# Altium PCB PCB1 — копия.PcbDoc
Units mm, origin at the board's own origin, x right, y up, seen from the top; angles counter-clockwise.
Board outline 94 x 80 mm, 2 copper layers (Top Layer, Bottom Layer); 216 components, 154 nets, 1007 pads, 0 vias.
Unrouted connection lines stored in the file: 434.
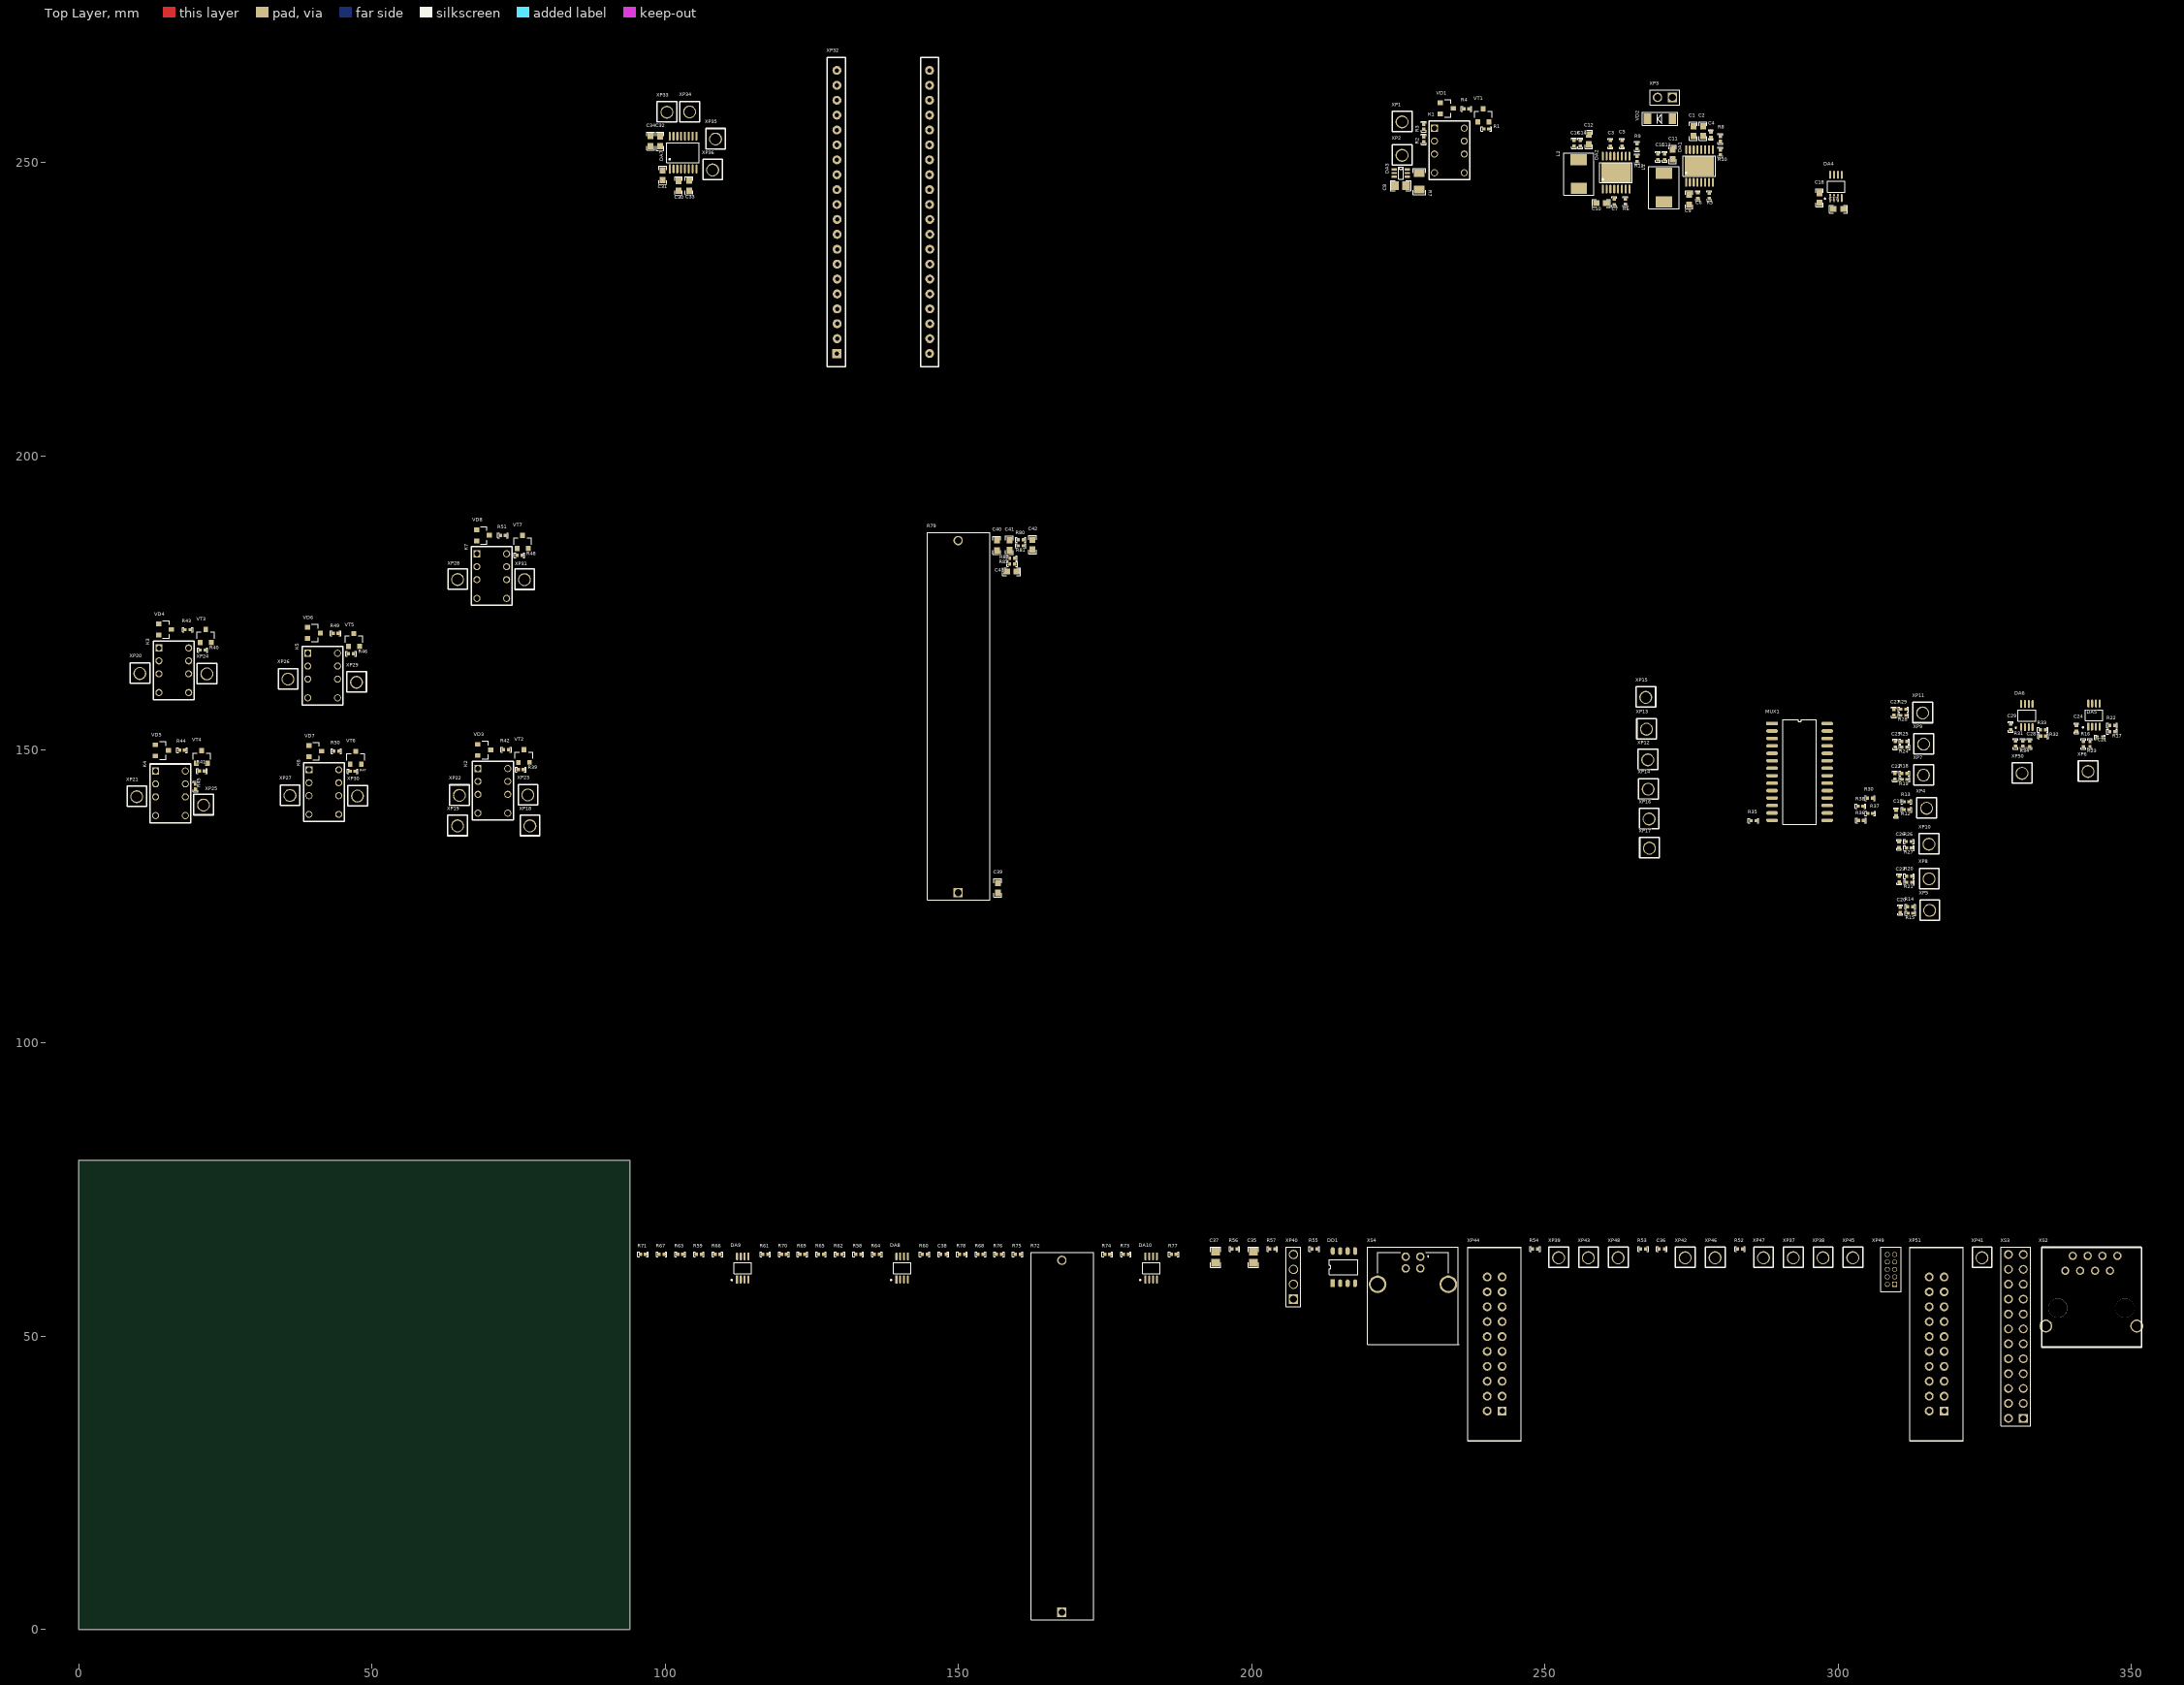
[diagram p0: Top Layer view]
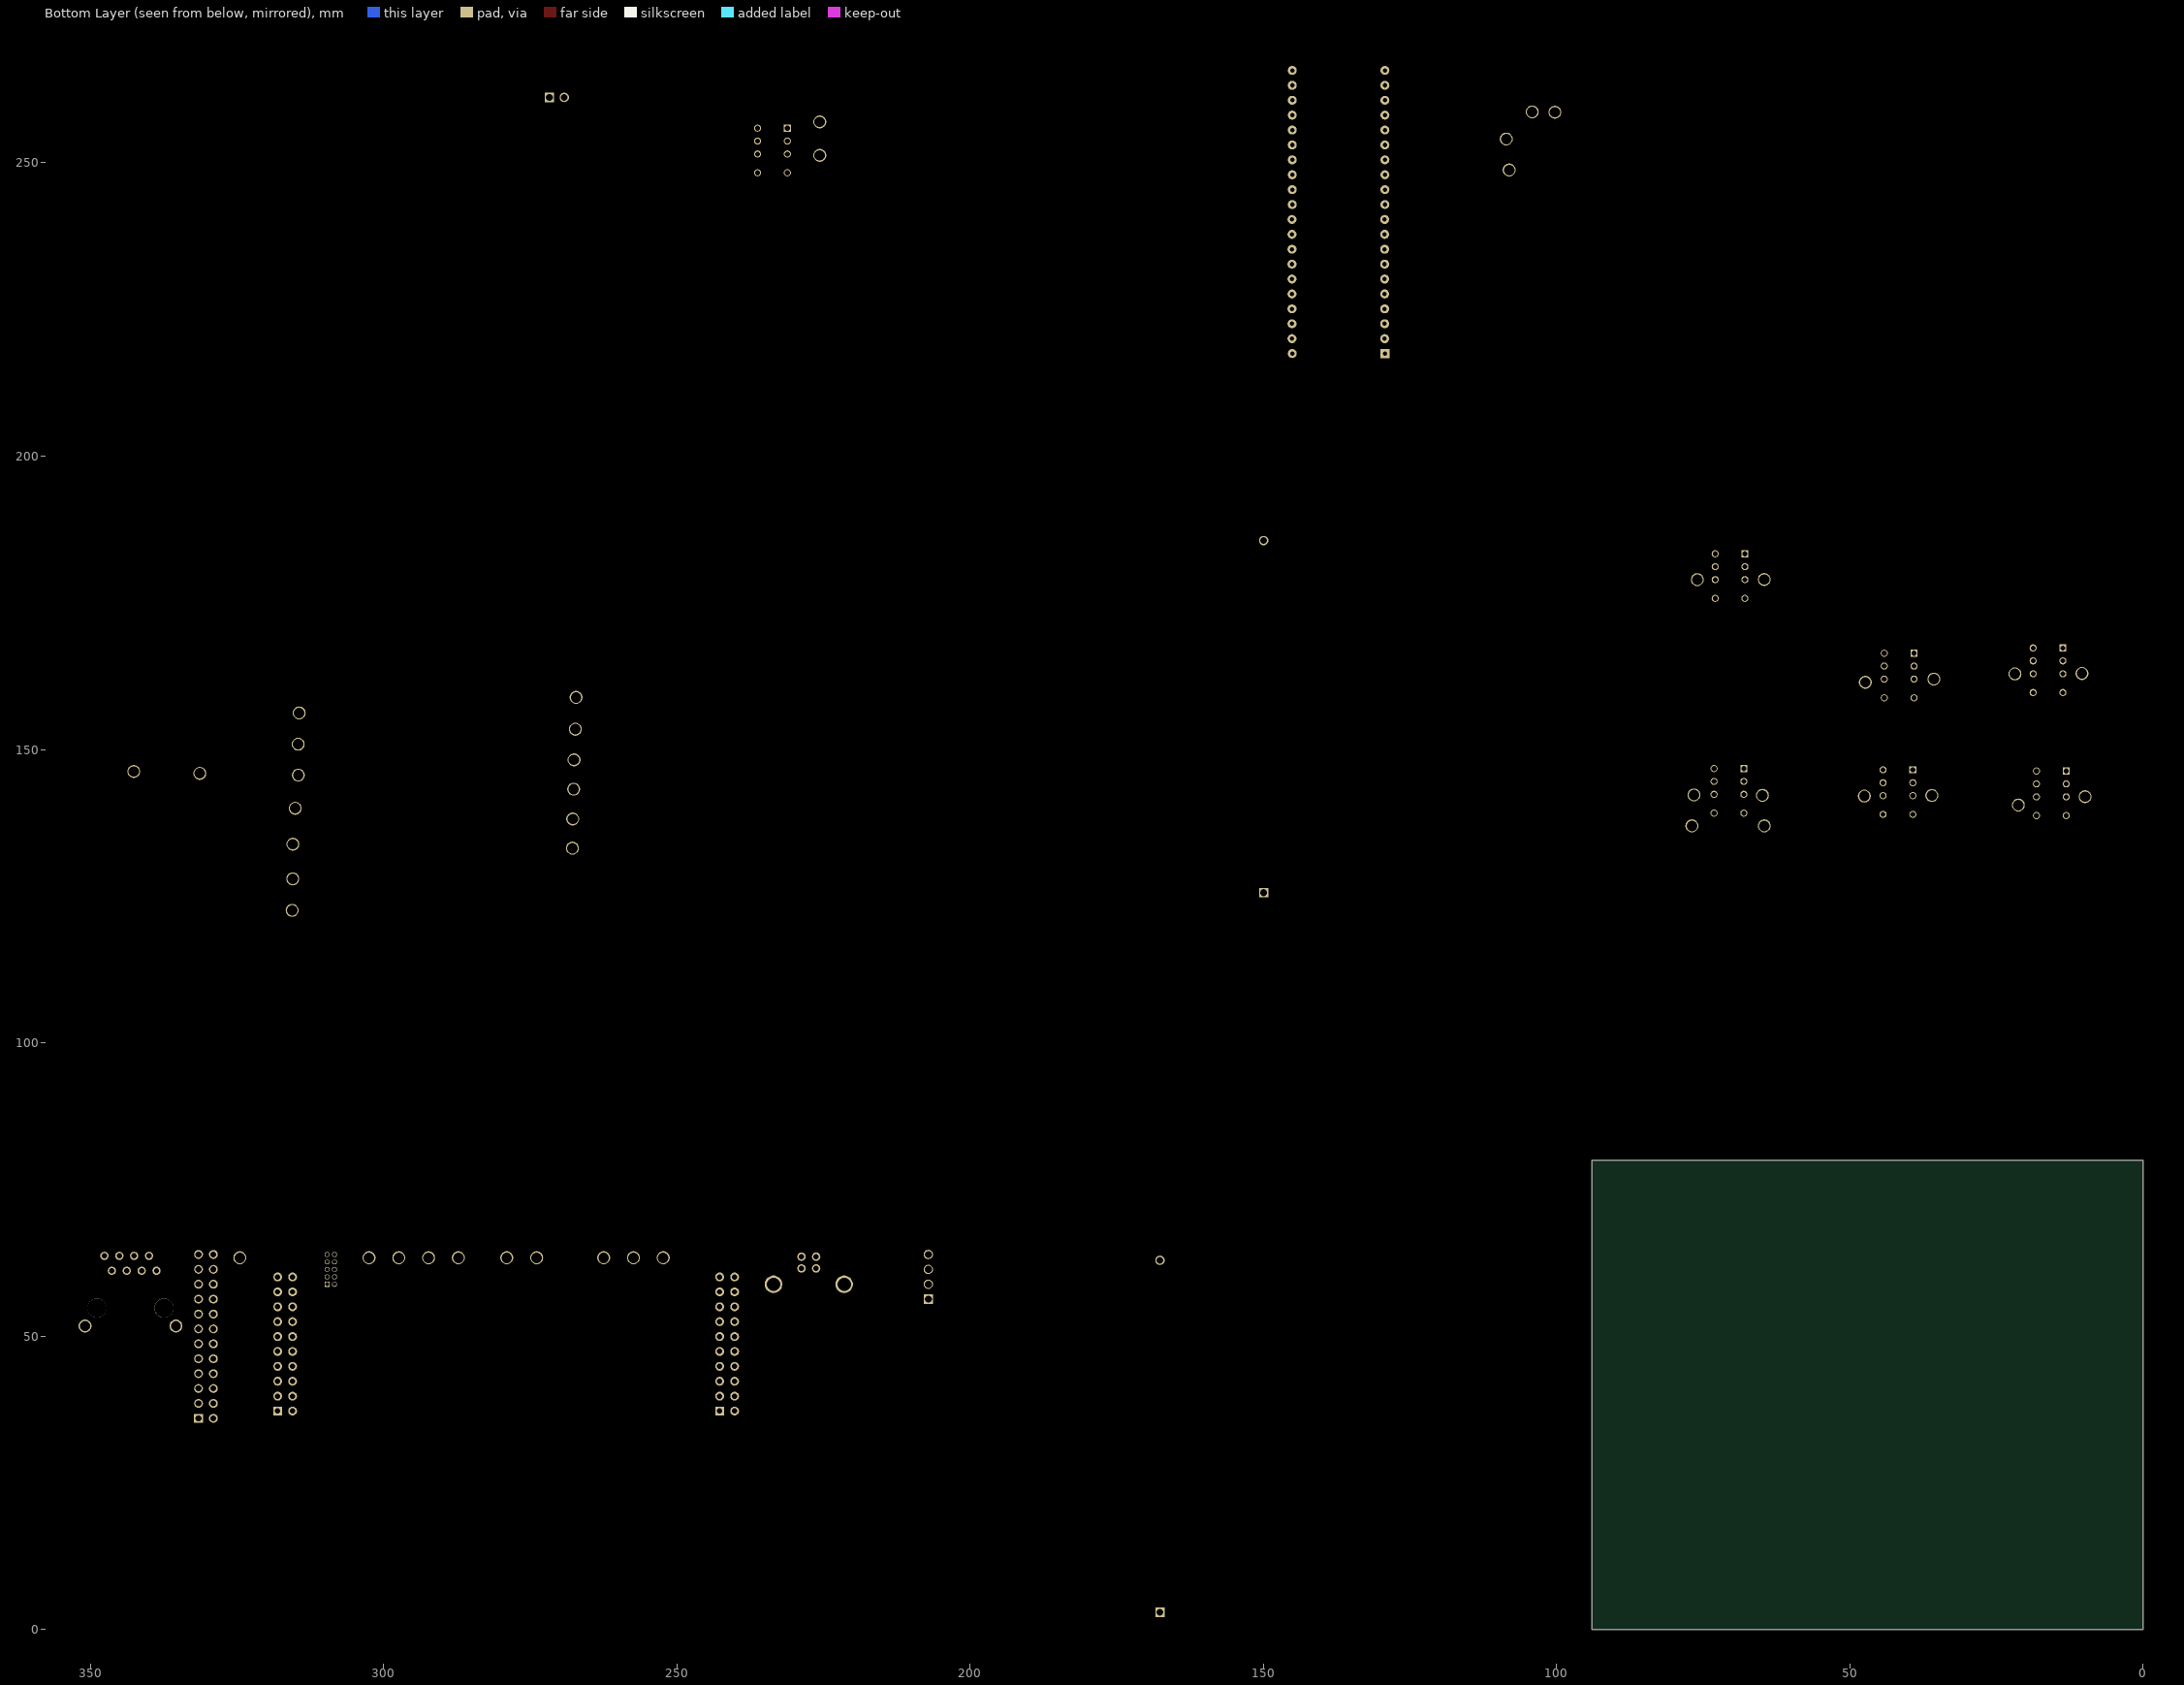
[diagram p1: Bottom Layer view, seen from below]

## Layer stack, top to bottom
Top Solder: solder mask 0.0102, Solder Resist, Dk 3.5
Top Layer: signal copper 0.0356
Dielectric 1: dielectric 0.32, FR-4, Dk 4.8
Bottom Layer: signal copper 0.0356
Bottom Solder: solder mask 0.0102, Solder Resist, Dk 3.5

## Board outline
0,0 0,80 94,80 94,0

## Design rules (kind name [scope] priority, off if disabled: settings)
Clearance [All] p1: gap=0.254 ignorepadtopadclearanceinfootprint=TRUE except(0: Arc-Hole Track-Hole SMDPad-Hole THPad-Hole Via-Hole Fill-Hole Poly-Hole Region-Hole Text-Hole)
Height [All] p1: minheight=0 maxheight=35 prefheight=12.7
PolygonConnect [All] p1: connectstyle=Relief reliefconductorwidth=0.254 reliefentries=4 polygonreliefangle="90 Angle" airgapwidth=0.254
RoomDefinition STM [InComponentClass('STM')] p1: confinementstyle=ConfineIn formatcopy=TRUE lockcomponents=FALSE outline 86.205,214.96 146.908,214.96 146.908,269.338 86.205,269.338
RoomDefinition Rele [InComponentClass('Rele')] p2: confinementstyle=ConfineIn formatcopy=TRUE lockcomponents=FALSE outline 0,197.225 220.786,197.225 220.786,208.8 0,208.8
RoomDefinition Power [InComponentClass('Power')] p3: confinementstyle=ConfineIn formatcopy=TRUE lockcomponents=FALSE outline 161.697,220.25 322.03,220.25 322.03,231.85 161.697,231.85
RoomDefinition Peltie [InComponentClass('Peltie')] p4: confinementstyle=ConfineIn formatcopy=TRUE lockcomponents=FALSE outline 95.13,123.606 132.806,123.606 132.806,187.759 95.13,187.759
RoomDefinition ControlPoint [InComponentClass('ControlPoint')] p5: confinementstyle=ConfineIn formatcopy=TRUE lockcomponents=FALSE outline 98.067,98.424 314.653,98.424 314.653,118.125 98.067,118.125
RoomDefinition Connectors [InComponentClass('Connectors')] p6: confinementstyle=ConfineIn formatcopy=TRUE lockcomponents=FALSE outline 192.689,31.879 352.222,31.879 352.222,66.456 192.689,66.456
RoomDefinition Check_Laser [InComponentClass('Check_Laser')] p7: confinementstyle=ConfineIn formatcopy=TRUE lockcomponents=FALSE outline 95.13,1.425 187.809,1.425 187.809,65.553 95.13,65.553
RoutingVias [All] p1: holewidth=0.711 width=1.27 viastyle="Through Hole" minholewidth=0.711 minwidth=1.27 maxholewidth=0.711 maxwidth=1.27
SolderMaskExpansion [All] p1: expansion=0.102 istentingtop=FALSE
Width [All] p1: maxlimit=0.254 minlimit=0.254 preferedwidth=0.254
29 further rules are at their usual default settings.

## Classes and differential pairs
component class STM: C30 C31 C32 C33 C34 DA7 XP32 XP33 XP34 XP35 XP36
component class Rele: R39 R40 R41 R42 R43 R44 R45 R46 R47 R48 R49 R50 R51 VD3 VD4 VD5 VD6 VD7 VD8 VT2 VT3 VT4 VT5 VT6 VT7 XP18 XP19 XP20 XP21 XP22 XP23 XP24 XP25 XP26 XP27 XP28 XP29 XP30 XP31 К2 К3 К4 К5 К6 К7
component class Power: C1 C2 C3 C4 C5 C6 C7 C8 C9 C10 C11 C12 C13 C14 C15 C16 C17 C18 DA1 DA2 DA3 DA4 L1 L2 R1 R2 R3 R4 R5 R6 R7 R8 R9 R10 R11 VD1 VD2 VT1 XP1 XP2 XP3 К1
component class Peltie: C39 C40 C41 C42 C43 R79 R80 R81 R82 R83
component class ControlPoint: C19 C20 C21 C22 C23 C24 C25 C26 C27 C28 C29 DA5 DA6 MUX1 R12 R13 R14 R15 R16 R17 R18 R19 R20 R21 R22 R23 R24 R25 R26 R27 R28 R29 R30 R31 R32 R33 R34 R35 R36 R37 R38 XP4 XP5 XP6 XP7 XP8 XP9 XP10 XP11 XP12 XP13 XP14 XP15 XP16 XP17 XP50
component class Connectors: C35 C36 C37 DD1 R52 R53 R54 R55 R56 R57 XP37 XP38 XP39 XP40 XP41 XP42 XP43 XP44 XP45 XP46 XP47 XP48 XP49 XP51 XS2 XS3 XS4
component class Check_Laser: C38 DA8 DA9 DA10 R58 R59 R60 R61 R62 R63 R64 R65 R66 R67 R68 R69 R70 R71 R72 R73 R74 R75 R76 R77 R78

## Components (designator, comment, footprint, x,y, rotation, side; value= is the part's Value field where it differs from the comment)
C1 "22uF" 0603C 275.3,255.4 r270 top
C2 "22uF" 0603C 276.95,255.4 r270 top
C3 "100nF" 0402C 261.15,253.3 r270 top
C4 "10nF" 0402C 278.3,254.775 r270 top
C5 "10nF" 0402C 263.1,253.3 r270 top
C6 "10uF" 0402C 276.05,244.375 r90 top
C7 "10uF" 0402C 261.825,243.35 r90 top
C8 "0.1uF" 0805C 225.35,246.1 r180 top
C9 "1uF" 0603C 274.575,243.7 r270 top
C10 "1uF" 0603C 259.6,243.1 r180 top
C11 "100uF" 0603C 271.773,251.45 r270 top
C12 "100uF" 0603C 257.475,253.975 r270 top
C13 "100nF" 0402C 270.375,251.05 r270 top
C14 "100nF" 0402C 256.025,253.325 r270 top
C15 "100nF" 0402C 269.25,251.025 r270 top
C16 "100nF" 0402C 254.95,253.325 r270 top
C17 "1uF" 0603C 300.025,242.1 r180 top
C18 "1uF" 0603C 296.8,244.025 r270 top
C19 "100nF" 0402C 309.845,139.175 r90 top
C20 "100nF" 0402C 310.575,122.65 r270 top
C21 "10nF" 0402C 344.595,152.075 r180 top
C22 "100nF" 0402C 309.675,145.4 r90 top
C23 "100nF" 0402C 310.403,127.875 r270 top
C24 "10nF" 0402C 340.595,153.625 r90 top
C25 "100nF" 0402C 309.7,150.85 r90 top
C26 "100nF" 0402C 310.353,133.75 r90 top
C27 "100nF" 0402C 309.475,156.325 r90 top
C28 "10nF" 0402C 332.62,150.975 r90 top
C29 "10nF" 0402C 329.37,153.85 r90 top
C30 "4.7uF" 0603C 102.3,246.075 r90 top
C31 "4.7uF" 0603C 99.575,247.875 r90 top
C32 "4.7uF" 0603C 99.15,253.675 r90 top
C33 "4.7uF" 0603C 104.075,246.1 r90 top
C34 "4.7uF" 0603C 97.525,253.7 r90 top
C35 "0.1uF" 0805C 200.289,63.431 r90 top
C36 "10uF" 0402C 269.918,64.831 r0 top
C37 "0.1uF" 0805C 193.839,63.431 r90 top
C38 "100nF" 0402C 147.432,63.928 r0 top
C39 "1uF" 0603C 156.725,126.4 r90 top
C40 "1uF" 0603C 156.55,184.8 r270 top
C41 "1uF" 0603C 158.7,184.825 r270 top
C42 "1uF" 0603C 162.625,184.9 r90 top
C43 "1uF" 0603C 159.075,180.3 r0 top
DA1 "LM43603PWPR" TSSOP-17 276.325,249.45 r0 top value=LM43603QWPR
DA2 "LM43603PWPR" TSSOP-17 262.125,248.325 r0 top value=LM43603QWPR
DA3 "INA210AIDCKT" SC-70-6 225.425,248.25 r270 top
DA4 "ADP3333ARMZ-5" MSOP-8 298.625,244 r0 top
DA5 "AD8066ARMZ" MSOP-8 342.619,153.875 r0 top
DA6 "AD8066ARMZ" MSOP-8 331.17,153.8 r0 top
DA7 "ADM3202ARU" TSSOP-16 103.05,251.75 r0 top
DA8 "AD8066ARMZ" MSOP-8 139.432,59.653 r0 top
DA9 "AD8066ARMZ" MSOP-8 112.255,59.653 r0 top
DA10 "AD8066ARMZ" MSOP-8 181.884,59.653 r0 top
DD1 "CH340N" SOP8 213.815,59.006 r90 top
L1 "IHLP2020BZER3R3M01" IHLP2020CZ-01 270.275,243.35 r90 top
L2 "IHLP2020BZER3R3M01" IHLP2020CZ-01 255.775,245.65 r90 top
MUX1 "MPC506AU" SOIC-28 293.413,146.164 r0 top
R1 "1K" R0402 240,255.775 r180 top
R2 "100K" R0402 229.325,254 r90 top
R3 "20K" R0402 229.325,256.15 r90 top
R4 "24R" R0402 236.6,259.225 r180 top
R5 "18.2K" R0402 277.975,244.375 r90 top
R6 "18.2K" R0402 263.725,243.375 r90 top
R7 "0.018R" R1206 228.575,246.825 r90 top
R8 "8.2K" R0402 279.925,254.075 r270 top
R9 "1.2K" R0402 265.7,252.8 r270 top
R10 "40.2K" R0402 279.925,251.775 r270 top
R11 "2.7K" R0402 265.7,250.65 r270 top
R12 "100K" R0402 311.62,139.7 r180 top
R13 "56K" R0402 311.62,141.075 r0 top
R14 "100K" R0402 312.275,123.2 r180 top
R15 "56K" R0402 312.3,122.075 r0 top
R16 "100K" R0402 341.795,150.925 r90 top
R17 "100K" R0402 346.695,153.025 r180 top
R18 "100K" R0402 311.275,145.925 r180 top
R19 "56K" R0402 311.3,144.875 r0 top
R20 "100K" R0402 312.075,128.4 r180 top
R21 "56K" R0402 312.078,127.325 r0 top
R22 "100K" R0402 346.695,154.1 r0 top
R23 "10K" R0402 342.895,150.925 r270 top
R24 "100K" R0402 311.275,150.375 r180 top
R25 "56K" R0402 311.25,151.375 r0 top
R26 "100K" R0402 312.025,134.3 r180 top
R27 "56K" R0402 312.053,133.175 r0 top
R28 "100K" R0402 311.1,155.8 r180 top
R29 "56K" R0402 311.1,156.85 r0 top
R30 "10K" R0402 305.395,141.725 r0 top
R31 "100K" R0402 330.245,150.975 r90 top
R32 "100K" R0402 334.92,152.275 r180 top
R33 "100K" R0402 334.87,153.375 r0 top
R34 "10K" R0402 331.47,150.975 r270 top
R35 "10K" R0402 285.545,137.85 r0 top
R36 "10K" R0402 303.87,137.9 r180 top
R37 "10K" R0402 305.445,139.1 r180 top
R38 "10K" R0402 303.795,140.325 r180 top
R39 "1K" R0402 75.4,146.6 r180 top
R40 "1K" R0402 21.15,166.95 r180 top
R41 "1K" R0402 21.025,146.35 r180 top
R42 "24R" R0402 72.9,149.975 r180 top
R43 "24R" R0402 18.6,170.425 r180 top
R44 "24R" R0402 17.65,149.9 r180 top
R45 "10K" R0402 19.95,143.675 r270 top
R46 "1K" R0402 46.45,166.3 r180 top
R47 "1K" R0402 46.725,146.275 r180 top
R48 "1K" R0402 75.175,183.075 r180 top
R49 "24R" R0402 43.825,169.8 r180 top
R50 "24R" R0402 43.95,149.7 r180 top
R51 "24R" R0402 72.35,186.475 r180 top
R52 "10K" R0402 283.243,64.831 r0 top
R53 "10K" R0402 266.743,64.831 r0 top
R54 "10K" R0402 248.317,64.831 r0 top
R55 "33R" R0402 210.69,64.831 r0 top
R56 "33R" R0402 197.064,64.831 r0 top
R57 "33R" R0402 203.514,64.831 r0 top
R58 "10K" R0402 132.931,63.928 r0 top
R59 "10K" R0402 105.755,63.928 r0 top
R60 "10K" R0402 144.257,63.928 r0 top
R61 "10K" R0402 117.081,63.928 r0 top
R62 "10K" R0402 129.756,63.928 r0 top
R63 "10K" R0402 102.58,63.928 r0 top
R64 "10K" R0402 136.107,63.928 r0 top
R65 "10K" R0402 126.581,63.928 r0 top
R66 "10K" R0402 108.93,63.928 r0 top
R67 "10K" R0402 99.405,63.928 r0 top
R68 "10K" R0402 153.783,63.928 r0 top
R69 "10K" R0402 123.406,63.928 r0 top
R70 "10K" R0402 120.256,63.928 r0 top
R71 "10K" R0402 96.23,63.928 r0 top
R72 "3R" SQP-10 167.633,4.2 r90 top
R73 "10K" R0402 178.559,63.928 r0 top
R74 "10K" R0402 175.384,63.928 r0 top
R75 "10K" R0402 160.108,63.928 r0 top
R76 "20K" R0402 156.933,63.928 r0 top
R77 "10K" R0402 186.709,63.928 r0 top
R78 "10K" R0402 150.607,63.928 r0 top
R79 "3R" SQP-10 149.95,126.875 r90 top
R80 "100K" R0402 160.625,185.725 r180 top
R81 "56K" R0402 160.625,184.7 r180 top
R82 "100K" R0402 159.125,182.6 r180 top
R83 "56K" R0402 159.15,181.625 r180 top
VD1 "BAV99" SOT-23-3 233.275,259.275 r0 top
VD2 "MBRAF1540T3G" SMA-FL 269.6,257.5 r180 top
VD3 "BAV99" SOT-23-3 69.175,149.925 r0 top
VD4 "BAV99" SOT-23-3 14.75,170.45 r0 top
VD5 "BAV99" SOT-23-3 14.225,149.85 r0 top
VD6 "BAV99" SOT-23-3 40.125,169.85 r0 top
VD7 "BAV99" SOT-23-3 40.35,149.725 r0 top
VD8 "BAV99" SOT-23-3 68.95,186.5 r0 top
VT1 "BSS138" SOT-23-3 239.475,258.1 r90 top
VT2 "BSS138" SOT-23-3 75.925,148.875 r90 top
VT3 "BSS138" SOT-23-3 21.675,169.325 r90 top
VT4 "BSS138" SOT-23-3 21,148.725 r90 top
VT5 "BSS138" SOT-23-3 46.95,168.65 r90 top
VT6 "BSS138" SOT-23-3 47.25,148.575 r90 top
VT7 "BSS138" SOT-23-3 75.7,185.35 r90 top
XP1 "PA" "POGO PIN P100-A2/B1" 225.625,256.975 r0 top
XP2 "PA" "POGO PIN P100-A2/B1" 225.625,251.275 r0 top
XP3 "PLS-2" PLS-2 270.455,261.15 r180 top
XP4 "PA" "POGO PIN P100-A2/B1" 315.05,139.975 r0 top
XP5 "PA" "POGO PIN P100-A2/B1" 315.575,122.575 r0 top
XP6 "PA" "POGO PIN P100-A2/B1" 342.57,146.25 r0 top
XP7 "PA" "POGO PIN P100-A2/B1" 314.525,145.625 r0 top
XP8 "PB" "POGO PIN P100-A2/B1" 315.475,127.95 r0 top
XP9 "PB" "POGO PIN P100-A2/B1" 314.55,150.9 r0 top
XP10 "PB" "POGO PIN P100-A2/B1" 315.45,133.85 r0 top
XP11 "PB" "POGO PIN P100-A2/B1" 314.375,156.225 r0 top
XP12 "PB" "POGO PIN P100-A2/B1" 267.52,148.225 r0 top
XP13 "PB" "POGO PIN P100-A2/B1" 267.295,153.45 r0 top
XP14 "PB" "POGO PIN P100-A2/B1" 267.595,143.225 r0 top
XP15 "PB" "POGO PIN P100-A2/B1" 267.17,158.875 r0 top
XP16 "PB" "POGO PIN P100-A2/B1" 267.745,138.15 r0 top
XP17 "PB" "POGO PIN P100-A2/B1" 267.795,133.175 r0 top
XP18 "PA" "POGO PIN P100-A2/B1" 76.95,136.975 r0 top
XP19 "PA" "POGO PIN P100-A2/B1" 64.6,136.975 r0 top
XP20 "PA" "POGO PIN P100-A2/B1" 10.45,162.95 r0 top
XP21 "PA" "POGO PIN P100-A2/B1" 9.925,141.95 r0 top
XP22 "PA" "POGO PIN P100-A2/B1" 64.925,142.175 r0 top
XP23 "PA" "POGO PIN P100-A2/B1" 76.6,142.25 r0 top
XP24 "PA" "POGO PIN P100-A2/B1" 21.875,162.875 r0 top